# KiCad board keyboardv2.kicad_pcb (continued)
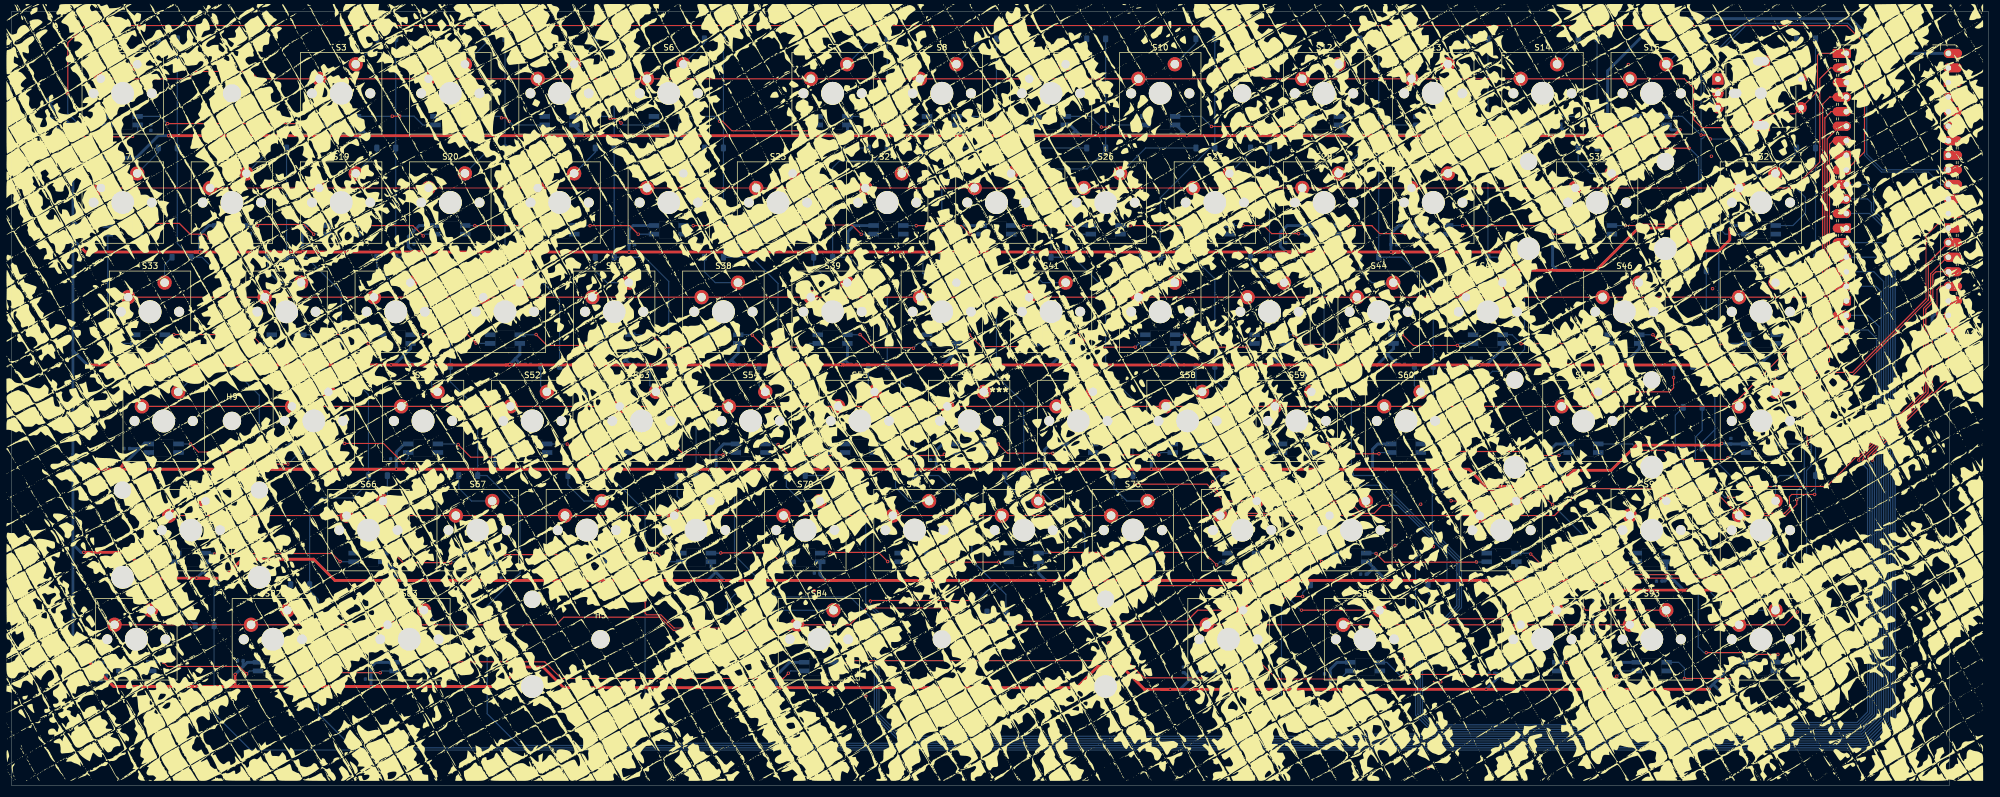
[diagram p0: board, top side]
## Routing (per net, layer and track width the routed paths; a pad name or vN(x,y) marks a point on that pad's centre or on a via; arc(x,y) is an arc through that point) (continued)
ENC_SW_2: length 7.3
  Bottom w0.2: D16.2 311.38,124.03 SW1.S2
RGB DATA: length 359.4
  Top w0.2: 320.08,107.42 323.22,110.56 323.22,129.48 320.12,132.58 12.82,132.58 9.82,129.58 v1(9.82,120.68)
  Bottom w0.2: D97.4 11.86,115.24 9.82,117.28 v1(9.82,120.68)
ROW1: length 321.7
  Top w0.2: 320.08,125.2 317.34,125.2 315.42,123.28 315.42,108.78 310.88,104.25 15.6,104.25
ROW2: length 332.1
  Top w0.2: S33.1 S48.1 312.83,85.2 315.92,88.28 315.92,118.88 317.16,120.12 320.08,120.12
ROW3: length 340.1
  Top w0.2: 320.08,117.58 317.42,117.58 316.32,116.48 316.32,81.28 313.92,78.88 312.72,78.88 301.35,67.51 S64.1 S49.1
ROW4: length 360.1
  Top w0.2: 320.08,115.04 318.95,115.04 316.72,112.81 316.72,74.18 311.72,69.18 311.72,66.43 313.22,64.93 v1(313.22,59.58) ; v1(311.42,49.88) 311.42,49.08 309.43,47.1 S80.1 296.66,51.78 273.82,51.78 269.13,47.1 S77.1 S65.1
  Bottom w0.2: v1(313.22,59.58) 312.72,59.08 312.72,52.68 311.42,51.38 v1(311.42,49.88)
ROW5: length 410.6
  Top w0.2: v1(313.92,60.48) 313.92,65.08 v1(313.12,65.88) ; v1(311.52,30.28) 309.28,28.05 S94.1 S89.1 S88.1 S87.1 166.15,28.05 163.22,30.98 149.15,30.98 146.22,28.05 S84.1 136.08,27.08 115.42,27.08 113.12,29.38 96.32,29.38 94.98,28.05 S81.1 ; 319.28,112.5 317.74,112.5 317.12,111.88 317.12,74.02 312.32,69.21 v1(312.32,67.18) ; 319.86,112.28 320.08,112.5
  Bottom w0.2: S93.1 282.3,33.8 278.12,37.98 278.12,44.69 280.53,47.1 S96.1 ; v1(311.52,30.28) 313.12,31.88 313.12,54.98 313.92,55.78 v1(313.92,60.48) ; v1(312.32,67.18) 312.32,66.28 312.72,65.88 v1(313.12,65.88)
Net-(D1-A): length 6
  Bottom w0.2: S1.2 25.63,129.52 D1.2
Net-(D3-A): length 6
  Bottom w0.2: D3.2 63.73,129.52 S3.2
Net-(D4-A): length 6
  Bottom w0.2: D4.2 82.78,129.52 S4.2
Net-(D5-A): length 6
  Bottom w0.2: D5.2 101.83,129.52 S5.2
Net-(D6-A): length 6
  Bottom w0.2: S6.2 120.88,129.52 D6.2
Net-(D7-A): length 6
  Bottom w0.2: S7.2 149.46,129.52 D7.2
Net-(D8-A): length 6
  Bottom w0.2: S8.2 168.51,129.52 D8.2
Net-(D9-A): length 6
  Bottom w0.2: S9.2 187.56,129.52 D9.2
Net-(D10-A): length 6
  Bottom w0.2: S10.2 206.61,129.52 D10.2
Net-(D12-A): length 6
  Bottom w0.2: S12.2 235.18,129.52 D12.2
Net-(D13-A): length 6
  Bottom w0.2: S13.2 254.23,129.52 D13.2
Net-(D14-A): length 6
  Bottom w0.2: D14.2 273.28,129.52 S14.2
Net-(D15-A): length 6
  Bottom w0.2: D15.2 292.33,129.52 S15.2
Net-(D17-A): length 6
  Bottom w0.2: D17.2 25.63,110.47 S17.2
Net-(D18-A): length 6
  Bottom w0.2: D18.2 44.68,110.47 S18.2
Net-(D19-A): length 6
  Bottom w0.2: S19.2 63.73,110.47 D19.2
Net-(D20-A): length 6
  Bottom w0.2: D20.2 82.78,110.47 S20.2
Net-(D21-A): length 6
  Bottom w0.2: S21.2 101.83,110.47 D21.2
Net-(D22-A): length 6
  Bottom w0.2: S22.2 120.88,110.47 D22.2
Net-(D23-A): length 15.1
  Bottom w0.2: S23.2 140.69,111.23 D23.2
Net-(D24-A): length 15.1
  Bottom w0.2: S24.2 159.74,111.23 D24.2
Net-(D25-A): length 15.1
  Bottom w0.2: S25.2 178.79,111.23 D25.2
Net-(D26-A): length 15.1
  Bottom w0.2: S26.2 197.84,111.23 D26.2
Net-(D27-A): length 6
  Bottom w0.2: S27.2 216.13,110.47 D27.2
Net-(D28-A): length 6
  Bottom w0.2: D28.2 235.18,110.47 S28.2
Net-(D29-A): length 6
  Bottom w0.2: D29.2 254.23,110.47 S29.2
Net-(D30-A): length 9
  Bottom w0.2: D30.2 273.28,108.92 275.42,106.78 275.42,106.79 S30.2
Net-(D32-A): length 6
  Bottom w0.2: S32.2 311.38,110.47 D32.2
Net-(D33-A): length 5
  Bottom w0.2: D33.2 26.71,90.88 S33.2
Net-(D34-A): length 9.1
  Bottom w0.2: D34.2 44.68,89.82 46.76,87.74 S34.2
Net-(D35-A): length 8.7
  Bottom w0.2: S35.2 66.46,87.74 63.73,90.47 D35.2
Net-(D36-A): length 8.2
  Bottom w0.2: D36.2 82.78,91.22 86.26,87.74 S36.2
Net-(D37-A): length 9.1
  Bottom w0.2: D37.2 101.83,89.77 103.86,87.74 S37.2
Net-(D38-A): length 9.2
  Bottom w0.2: D38.2 120.88,89.62 122.76,87.74 S38.2
Net-(D39-A): length 8.6
  Bottom w0.2: S39.2 142.86,87.74 139.93,90.67 D39.2
Net-(D40-A): length 9.3
  Bottom w0.2: S40.2 160.63,87.74 158.98,89.38 D40.2
Net-(D41-A): length 9.2
  Bottom w0.2: S41.2 179.86,87.74 178.03,89.57 D41.2
Net-(D42-A): length 9.8
  Bottom w0.2: D42.2 197.08,88.52 197.86,87.74 S42.2
Net-(D43-A): length 8.4
  Bottom w0.2: S43.2 219.36,87.74 216.13,90.97 D43.2
Net-(D44-A): length 9.1
  Bottom w0.2: S44.2 237.26,87.74 235.18,89.82 D44.2
Net-(D45-A): length 9.1
  Bottom w0.2: S45.2 256.26,87.74 254.23,89.77 D45.2
Net-(D46-A): length 9.3
  Bottom w0.2: S46.2 285.95,89.8 D46.2
Net-(D48-A): length 6
  Bottom w0.2: D48.2 311.38,91.42 S48.2
Net-(D49-A): length 7.9
  Bottom w0.2: D49.2 33.54,73.13 S49.2
Net-(D50-A): length 4.9
  Bottom w0.2: D50.2 54.21,69.76 S50.2
Net-(D51-A): length 4.9
  Bottom w0.2: D51.2 73.26,69.76 S51.2
Net-(D52-A): length 4.9
  Bottom w0.2: D52.2 92.31,69.76 93.38,68.69
Net-(D53-A): length 4.9
  Bottom w0.2: D53.2 111.36,69.76 S53.2
Net-(D54-A): length 4.9
  Bottom w0.2: S54.2 130.41,69.76 D54.2
Net-(D55-A): length 4.9
  Bottom w0.2: S55.2 149.46,69.76 D55.2
Net-(D56-A): length 4.9
  Bottom w0.2: S56.2 168.51,69.76 D56.2
Net-(D57-A): length 4.9
  Bottom w0.2: 188.63,68.69 187.56,69.76 D57.2
Net-(D58-A): length 4.9
  Bottom w0.2: D58.2 206.61,69.76 S58.2
Net-(D59-A): length 4.9
  Bottom w0.2: 226.73,68.69 225.66,69.76 D59.2
Net-(D60-A): length 4.9
  Bottom w0.2: 245.78,68.69 244.71,69.76 D60.2
Net-(D62-A): length 17.2
  Top w0.2: v1(289.92,71.18) 289.92,69.38 289.22,68.69 S62.2
  Bottom w0.2: D62.2 289.95,71.21 v1(289.92,71.18)
Net-(D64-A): length 7.6
  Top w0.2: S64.2 307.7,72.26 v1(307.82,72.38)
  Bottom w0.2: D64.2 308.57,73.13 v1(307.82,72.38)
Net-(D65-A): length 8
  Bottom w0.2: S65.2 33.85,53.51 D65.2
Net-(D66-A): length 4.8
  Bottom w0.2: S66.2 65.57,50.4 D66.2
Net-(D67-A): length 9
  Bottom w0.2: S67.2 80.26,49.64 78.02,51.88 D67.2
Net-(D68-A): length 8.6
  Bottom w0.2: S68.2 99.86,49.64 97.07,52.43 D68.2
Net-(D69-A): length 9.8
  Bottom w0.2: D69.2 116.12,50.48 116.96,49.64 S69.2
Net-(D70-A): length 8.8
  Bottom w0.2: D70.2 135.17,52.13 137.66,49.64 S70.2
Net-(D71-A): length 8.9
  Bottom w0.2: D71.2 154.22,51.98 156.56,49.64 S71.2
Net-(D72-A): length 8.3
  Bottom w0.2: S72.2 176.66,49.64 173.27,53.03 D72.2
Net-(D73-A): length 9
  Bottom w0.2: D73.2 192.32,51.88 194.56,49.64 S73.2
Net-(D74-A): length 11.8
  Top w0.2: S74.2 212.06,49.64 209.52,52.18 v1(209.52,52.98)
  Bottom w0.2: D74.2 210.62,54.08 v1(209.52,52.98)
Net-(D75-A): length 14.2
  Top w0.2: v1(228.02,53.28) 228.02,50.38 228.76,49.64 S75.2
  Bottom w0.2: D75.2 228.82,54.08 v1(228.02,53.28)
Net-(D77-A): length 16.4
  Top w0.2: v1(251.12,49.68) 251.16,49.64 S77.2
  Bottom w0.2: D77.2 249.47,51.33 v1(251.12,49.68)
Net-(D80-A): length 7.7
  Bottom w0.2: S80.2 307.7,53.36 308.42,54.08 D80.2
Net-(D81-A): length 8.8
  Bottom w0.2: S81.2 29.35,30.59 32.04,27.89
Net-(D82-A): length 4.7
  Bottom w0.2: D82.2 48.14,34.46 S82.2
Net-(D83-A): length 8.8
  Bottom w0.2: D83.2 74.65,27.89 S83.2
Net-(D84-A): length 22
  Bottom w0.2: S84.2 132.61,30.59 129.82,33.38 126.22,33.38 124.91,32.08 D84.2
Net-(D85-K): length 18
  Top w0.2: v1(21.12,113.28) 21.02,113.18 v1(10.22,113.18)
  Bottom w0.2: v1(21.12,113.28) 22.02,114.18 22.02,115.23 D97.1 ; v1(10.22,113.18) 9.77,113.18 D85.1
Net-(D87-A): length 46.4
  Top w0.2: S87.2 206.92,30.59 205.02,28.68 v1(174.62,28.68)
  Bottom w0.2: D87.2 170.16,29.74 171.22,28.68 v1(174.62,28.68)
Net-(D88-A): length 18.9
  Top w0.2: v1(225.02,30.59) S88.2
  Bottom w0.2: v1(225.02,30.59) 224.91,30.59 223.28,32.22 D88.2
Net-(D89-A): length 28.8
  Top w0.2: v1(247.62,29.08) 260.42,29.08 261.92,30.59 S89.2
  Bottom w0.2: D89.2 247.09,33.61 247.62,33.08 v1(247.62,29.08)
Net-(D93-A): length 24.1
  Top w0.2: v1(274.12,31.08) 274.61,30.59 S93.2
  Bottom w0.2: v1(274.12,31.08) 272.55,32.65 D93.2
Net-(D94-A): length 39.7
  Bottom w0.2: D94.2 291.6,54.6 296.42,49.78 296.42,33.68 299.51,30.59 S94.2
Net-(D96-A): length 17.6
  Bottom w0.2: D96.2 290.22,64.61 290.22,51.21 S96.2
Net-(D97-DOUT): length 33.5
  Top w0.2: v1(27.22,115.48) 52.32,115.48 v1(52.52,115.28)
  Bottom w0.2: v1(52.52,115.28) 52.56,115.24 D99.4 ; D97.2 25.96,116.74 v1(27.22,115.48)
Net-(D100-DIN): length 14.5
  Top w0.2: v1(66.42,116.78) v1(67.72,116.78)
  Bottom w0.2: v1(66.42,116.78) 66.38,116.74 D99.2 ; D100.4 71.76,115.24 70.22,116.78 v1(67.72,116.78)
Net-(D100-DOUT): length 14.5
  Top w0.2: v1(86.82,115.88) 86.22,116.48 v1(85.48,116.48)
  Bottom w0.2: v1(85.48,116.48) 85.22,116.74 D100.2 ; D101.4 87.46,115.24 v1(86.82,115.88)
Net-(D101-DOUT): length 14.5
  Top w0.2: v1(106.32,115.58) 105.52,116.38 v1(104.42,116.38)
  Bottom w0.2: v1(106.32,115.58) 106.66,115.24 D102.4 ; D101.2 104.06,116.74 v1(104.42,116.38)
Net-(D102-DOUT): length 24.8
  Top w0.2: v1(139.22,114.23) 125.67,114.23 124.02,115.88 v1(123.52,115.88)
  Bottom w0.2: v1(123.52,115.88) 122.66,116.74 D102.2 ; D103.4 140.23,115.24 v1(139.22,114.23)
Net-(D103-DOUT): length 14.5
  Top w0.2: v1(151.92,115.38) 152.76,115.38 152.96,115.18 v1(157.12,115.18)
  Bottom w0.2: D104.4 157.18,115.24 v1(157.12,115.18) ; v1(151.92,115.38) 150.56,116.74 D103.2
Net-(D104-DOUT): length 14.7
  Top w0.2: v1(172.62,114.98) 172.52,115.08 v1(170.52,115.08)
  Bottom w0.2: v1(170.52,115.08) 168.86,116.74 D104.2 ; v1(172.62,114.98) 172.88,115.24 D105.4
Net-(D105-DOUT): length 14.8
  Top w0.2: v1(190.12,114.88) v1(191.52,114.88)
  Bottom w0.2: D106.4 192.28,115.24 191.92,114.88 v1(191.52,114.88) ; v1(190.12,114.88) 188.26,116.74 D105.2
Net-(D106-DOUT): length 24.2
  Top w0.2: v1(224.12,115.08) 224.02,114.98 v1(209.31,114.98)
  Bottom w0.2: D108.4 224.28,115.24 v1(224.12,115.08) ; D106.2 207.54,116.74 v1(209.31,114.98)
Net-(D108-DOUT): length 14.8
  Top w0.2: v1(237.62,114.98) 239.02,114.98 v1(239.12,114.88)
  Bottom w0.2: v1(239.12,114.88) 239.48,115.24 D109.4 ; v1(237.62,114.98) 235.86,116.74 D108.2
Net-(D109-DOUT): length 14.9
  Top w0.2: v1(256.93,114.68) v1(258.13,114.68)
  Bottom w0.2: v1(258.13,114.68) 258.72,114.68 259.28,115.24 D110.4 ; D109.2 254.87,116.74 v1(256.93,114.68)
Net-(D110-DOUT): length 14.8
  Top w0.2: v1(275.98,114.98) 277.12,114.98 v1(277.22,114.88)
  Bottom w0.2: v1(277.22,114.88) 277.58,115.24 D111.4 ; v1(275.98,114.98) 274.22,116.74 D110.2
Net-(D111-DOUT): length 40.8
  Top w0.2: v1(296.32,112.78) 295.62,113.48 v1(294.72,113.48)
  Bottom w0.2: v1(296.32,112.78) 301.34,112.78 304.32,109.8 304.32,106.48 306.42,104.38 311.12,104.38 312.91,102.59 312.91,99.88 310.73,97.69 D128.4 ; D111.2 291.46,116.74 v1(294.72,113.48)
Net-(D113-DIN): length 15.7
  Top w0.2: v1(34.42,95.48) 33.71,96.19 31.17,96.19 29.28,98.08 24.01,98.08 v1(23.62,97.69)
  Bottom w0.2: v1(23.62,97.69) D113.4 ; D114.2 35.86,95.72 35.62,95.48 v1(34.42,95.48)
Net-(D113-DOUT): length 22.7
  Bottom w0.2: D113.2 16.81,79.08 18.74,77.14 D129.4
Net-(D114-DIN): length 14.6
  Top w0.2: v1(52.72,96.18) 51.02,97.88 43.12,97.88 v1(42.92,97.68)
  Bottom w0.2: D114.4 42.91,97.69 v1(42.92,97.68) ; v1(52.72,96.18) 52.92,96.18 52.93,96.19 D115.2
Net-(D115-DIN): length 14.7
  Top w0.2: v1(61.92,97.68) 70.02,97.68 v1(71.82,95.88)
  Bottom w0.2: D116.2 72.13,96.19 v1(71.82,95.88) ; D115.4 61.91,97.69 v1(61.92,97.68)
Net-(D116-DIN): length 14.6
  Top w0.2: v1(80.82,97.68) 89.12,97.68 v1(90.72,96.08)
  Bottom w0.2: D116.4 80.81,97.69 v1(80.82,97.68) ; D117.2 90.83,96.19 v1(90.72,96.08)
Net-(D117-DIN): length 14.5
  Top w0.2: v1(100.92,97.68) 107.82,97.68 v1(109.32,96.18)
  Bottom w0.2: D117.4 100.91,97.69 v1(100.92,97.68) ; D118.2 109.33,96.19 v1(109.32,96.18)
Net-(D118-DIN): length 14.5
  Top w0.2: v1(118.92,97.68) 127.42,97.68 v1(128.92,96.18)
  Bottom w0.2: D118.4 118.91,97.69 v1(118.92,97.68) ; D119.2 128.93,96.19 v1(128.92,96.18)
Net-(D119-DIN): length 14.8
  Top w0.2: v1(138.22,97.68) 138.32,97.78 146.62,97.78 v1(148.22,96.18)
  Bottom w0.2: D119.4 138.21,97.69 v1(138.22,97.68) ; v1(148.22,96.18) 148.23,96.19 D120.2
Net-(D120-DIN): length 14.3
  Top w0.2: v1(167.22,96.18) 165.72,97.68 v1(157.82,97.68)
  Bottom w0.2: D121.2 167.23,96.19 v1(167.22,96.18) ; v1(157.82,97.68) 157.81,97.69 D120.4
Net-(D121-DIN): length 14.5
  Top w0.2: v1(186.32,96.18) 184.82,97.68 v1(176.52,97.68)
  Bottom w0.2: D122.2 186.33,96.19 v1(186.32,96.18) ; v1(176.52,97.68) 176.51,97.69 D121.4
Net-(D122-DIN): length 14.5
  Top w0.2: v1(195.12,97.68) 204.22,97.68 v1(205.72,96.18)
  Bottom w0.2: D123.2 205.73,96.19 v1(205.72,96.18) ; D122.4 195.11,97.69 v1(195.12,97.68)
Net-(D123-DIN): length 14.5
  Top w0.2: v1(214.82,97.68) 218.42,97.68 219.82,96.28 v1(224.52,96.28)
  Bottom w0.2: v1(214.82,97.68) 214.81,97.69 D123.4 ; v1(224.52,96.28) 224.61,96.19 D124.2
Net-(D124-DIN): length 14.5
  Top w0.2: v1(233.22,97.68) 237.28,97.68 238.68,96.28 v1(243.12,96.28)
  Bottom w0.2: v1(243.12,96.28) 243.21,96.19 D125.2 ; v1(233.22,97.68) 233.21,97.69 D124.4
Net-(D125-DIN): length 24
  Top w0.2: v1(271.12,96.18) 268.92,96.18 267.42,97.68 v1(253.12,97.68)
  Bottom w0.2: D125.4 253.11,97.69 v1(253.12,97.68) ; D126.2 271.13,96.19 v1(271.12,96.18)
Net-(D126-DIN): length 25.1
  Top w0.2: v1(296.32,98.78) 294.42,98.78 293.33,97.69 290.73,97.69 290.49,97.93 283.55,97.93 283.31,97.69 v1(281.52,97.69)
  Bottom w0.2: v1(296.32,98.78) 298.91,96.19 D128.2 ; v1(281.52,97.69) D126.4
Net-(D129-DOUT): length 19.5
  Top w0.2: v1(28.32,78.68) 41.82,78.68 v1(43.62,76.88)
  Bottom w0.2: D129.2 28.28,78.64 v1(28.32,78.68) ; v1(43.62,76.88) 43.88,77.14 D130.4
Net-(D130-DOUT): length 14.6
  Top w0.2: v1(52.82,78.68) 60.62,78.68 v1(62.22,77.08)
  Bottom w0.2: v1(62.22,77.08) 62.28,77.14 D131.4 ; D130.2 52.78,78.64 v1(52.82,78.68)
Net-(D131-DOUT): length 14.5
  Top w0.2: v1(71.82,78.68) 79.52,78.68 v1(81.02,77.18)
  Bottom w0.2: D132.4 81.06,77.14 v1(81.02,77.18) ; v1(71.82,78.68) 71.78,78.64 D131.2
Net-(D132-DOUT): length 15
  Top w0.2: v1(100.22,76.78) 93.42,76.78 v1(91.52,78.68)
  Bottom w0.2: D132.2 91.48,78.64 v1(91.52,78.68) ; v1(100.22,76.78) 100.58,77.14 D133.4
Net-(D133-DOUT): length 14.9
  Top w0.2: v1(119.62,76.48) 119.52,76.38 113.92,76.38 111.62,78.68 v1(110.52,78.68)
  Bottom w0.2: v1(110.52,78.68) 110.48,78.64 D133.2 ; D134.4 120.28,77.14 v1(119.62,76.48)
Net-(D134-DOUT): length 15.1
  Top w0.2: v1(129.22,78.58) 131.32,76.48 138.32,76.48 v1(138.42,76.38)
  Bottom w0.2: D135.4 139.18,77.14 v1(138.42,76.38) ; v1(129.22,78.58) 129.16,78.64 D134.2
Net-(D135-DOUT): length 15.2
  Top w0.2: v1(148.02,78.68) 150.32,76.38 157.22,76.38 v1(157.32,76.28)
  Bottom w0.2: D136.4 158.18,77.14 v1(157.32,76.28) ; v1(148.02,78.68) 147.98,78.64 D135.2
Net-(D136-DOUT): length 15.2
  Top w0.2: v1(177.22,76.58) 169.12,76.58 v1(167.12,78.58)
  Bottom w0.2: v1(167.12,78.58) 167.06,78.64 D136.2 ; D137.4 177.78,77.14 v1(177.22,76.58)
Net-(D137-DOUT): length 14.8
  Top w0.2: v1(196.02,76.48) 188.32,76.48 v1(186.12,78.68)
  Bottom w0.2: v1(196.02,76.48) 196.68,77.14 D138.4 ; v1(186.12,78.68) 186.08,78.64 D137.2
Net-(D138-DOUT): length 15
  Top w0.2: v1(204.62,78.58) 206.72,76.48 v1(215.42,76.48)
  Bottom w0.2: v1(215.42,76.48) 216.08,77.14 D139.4 ; v1(204.62,78.58) 204.56,78.64 D138.2
Net-(D139-DOUT): length 14.7
  Top w0.2: v1(223.72,78.58) 225.32,76.98 233.52,76.98 v1(233.62,76.88)
  Bottom w0.2: v1(223.72,78.58) 223.66,78.64 D139.2 ; v1(233.62,76.88) 233.88,77.14 D140.4
Net-(D140-DOUT): length 14.8
  Top w0.2: v1(252.22,76.78) 244.52,76.78 v1(242.62,78.68)
  Bottom w0.2: v1(252.22,76.78) 252.58,77.14 D141.4 ; v1(242.62,78.68) 242.58,78.64 D140.2
Net-(D141-DOUT): length 19.3
  Top w0.2: v1(263.32,77.08) v1(276.22,77.08)
  Bottom w0.2: v1(263.32,77.08) 261.76,78.64 D141.2 ; v1(276.22,77.08) 276.28,77.14 D142.4
Net-(D142-DOUT): length 19.4
  Top w0.2: v1(286.32,78.64) 287.98,76.98 v1(298.72,76.98)
  Bottom w0.2: D144.4 299.48,77.14 299.32,76.98 v1(298.72,76.98) ; v1(286.32,78.64) D142.2
Net-(D144-DOUT): length 29.2
  Bottom w0.2: D160.4 311.83,59.59 314.28,62.04 314.28,69.82 313.42,70.68 313.42,76.98 311.76,78.64 D144.2
Net-(D145-DIN): length 23.3
  Top w0.2: v1(31.22,59.58) 32.62,58.18 40.92,58.18 43.02,56.08 v1(48.22,56.08)
  Bottom w0.2: D146.2 50.14,58.01 v1(48.22,56.08) ; v1(31.22,59.58) 31.21,59.59 D145.4
Net-(D145-DOUT): length 22.8
  Bottom w0.2: D145.2 23.95,40.75 25.66,39.04 D161.4
Net-(D146-DIN): length 16.6
  Top w0.2: v1(68.32,56.28) 64.92,59.68 v1(58.12,59.68)
  Bottom w0.2: D147.2 69.19,57.16 v1(68.32,56.28) ; v1(58.12,59.68) 57.72,59.68 57.63,59.59 D146.4
Net-(D147-DIN): length 15.1
  Top w0.2: v1(77.92,59.48) 80.12,57.28 v1(85.62,57.28)
  Bottom w0.2: 88.24,58.09 86.43,58.09 v1(85.62,57.28) ; v1(77.92,59.48) 77.81,59.59 D147.4
Net-(D148-DIN): length 14.9
  Top w0.2: v1(96.92,59.58) 98.92,57.58 v1(105.02,57.58)
  Bottom w0.2: D149.2 105.53,58.09 v1(105.02,57.58) ; v1(96.92,59.58) 96.91,59.59 D148.4
Net-(D149-DIN): length 14.8
  Top w0.2: v1(124.12,57.68) 117.32,57.68 v1(115.42,59.58)
  Bottom w0.2: v1(124.12,57.68) 124.53,58.09 126.34,58.09 ; v1(115.42,59.58) 115.41,59.59 D149.4
Net-(D150-DIN): length 14.9
  Top w0.2: v1(133.72,59.48) 135.62,57.58 v1(143.62,57.58)
  Bottom w0.2: v1(143.62,57.58) 144.13,58.09 D151.2 ; D150.4 133.61,59.59 v1(133.72,59.48)
Net-(D151-DIN): length 14.9
  Top w0.2: v1(162.72,57.78) 162.52,57.58 v1(155.82,57.58)
  Bottom w0.2: v1(155.82,57.58) 153.81,59.59 D151.4 ; v1(162.72,57.78) 164.13,57.78 D152.2
Net-(D152-DIN): length 14.6
  Top w0.2: v1(172.12,59.58) 173.72,57.98 v1(181.62,57.98)
  Bottom w0.2: D153.2 181.73,58.09 v1(181.62,57.98) ; v1(172.12,59.58) 172.11,59.59 D152.4
Net-(D153-DIN): length 14.9
  Top w0.2: v1(191.62,59.68) 193.62,57.68 v1(200.12,57.68)
  Bottom w0.2: v1(191.62,59.68) 191.53,59.59 188.69,59.59 ; v1(200.12,57.68) 200.53,58.09 D154.2
Net-(D154-DIN): length 15.1
  Top w0.2: v1(219.42,57.38) 211.82,57.38 v1(209.62,59.58)
  Bottom w0.2: D155.2 220.13,58.09 v1(219.42,57.38) ; v1(209.62,59.58) 207.76,59.58 D154.4
Net-(D155-DIN): length 14.6
  Top w0.2: v1(229.52,59.58) 231.22,57.88 v1(238.52,57.88)
  Bottom w0.2: D156.2 238.73,58.09 v1(238.52,57.88) ; 226.79,59.59 229.51,59.59 v1(229.52,59.58)
Net-(D156-DIN): length 26.9
  Top w0.2: v1(269.92,57.58) 265.02,57.58 264.32,58.28 250.92,58.28 v1(249.52,59.68)
  Bottom w0.2: v1(249.52,59.68) 249.43,59.59 245.84,59.59 ; v1(269.92,57.58) 270.43,58.09 D158.2
Net-(D158-DIN): length 27.4
  Top w0.2: v1(283.82,58.48) 288.27,58.48 289.87,56.88 299.12,56.88 v1(299.42,57.18)
  Bottom w0.2: v1(299.42,57.18) 300.33,58.09 D160.2 ; D158.4 282.71,59.59 v1(283.82,58.48)
Net-(D161-DOUT): length 26.5
  Top w0.2: v1(57.32,39.08) 55.92,40.48 35.52,40.48 v1(35.42,40.38)
  Bottom w0.2: D162.4 57.36,39.04 v1(57.32,39.08) ; v1(35.42,40.38) 35.26,40.54 D161.2
Net-(D162-DOUT): length 14.6
  Top w0.2: v1(66.72,40.48) 68.32,38.88 v1(76.62,38.88)
  Bottom w0.2: v1(66.72,40.48) 64.93,40.48 D162.2 ; D163.4 76.78,39.04 v1(76.62,38.88)
Net-(D163-DOUT): length 14.5
  Top w0.2: v1(96.22,39.18) 95.12,40.28 v1(86.02,40.28)
  Bottom w0.2: D163.2 85.76,40.54 v1(86.02,40.28) ; v1(96.22,39.18) 97.63,39.18 D164.4
Net-(D164-DOUT): length 14.5
  Top w0.2: v1(114.22,39.08) 112.72,40.58 v1(104.62,40.58)
  Bottom w0.2: D164.2 104.58,40.54 v1(104.62,40.58) ; D165.4 114.26,39.04 v1(114.22,39.08)
Net-(D165-DOUT): length 14.6
  Top w0.2: v1(134.12,38.98) 132.52,40.58 v1(123.72,40.58)
  Bottom w0.2: v1(123.72,40.58) 123.68,40.54 D165.2 ; D166.4 135.81,38.98 v1(134.12,38.98)
Net-(D166-DOUT): length 14.6
  Top w0.2: v1(152.82,39.08) 151.22,40.68 v1(142.72,40.68)
  Bottom w0.2: v1(142.72,40.68) 142.58,40.54 D166.2 ; v1(152.82,39.08) 152.86,39.04 D167.4
Net-(D167-DOUT): length 14.5
  Top w0.2: v1(162.02,40.28) 163.32,38.98 v1(172.22,38.98)
  Bottom w0.2: v1(172.22,38.98) 173.91,38.98 D168.4 ; v1(162.02,40.28) 161.76,40.54 D167.2
Net-(D168-DOUT): length 14.6
  Top w0.2: v1(181.12,40.68) 189.62,40.68 v1(191.02,39.28)
  Bottom w0.2: v1(191.02,39.28) 191.26,39.04 D169.4 ; v1(181.12,40.68) 180.98,40.54 D168.2
Net-(D169-DOUT): length 15.1
  Top w0.2: v1(210.22,38.48) 208.02,40.68 v1(199.92,40.68)
  Bottom w0.2: v1(199.92,40.68) 199.78,40.54 D169.2 ; v1(210.22,38.48) 210.78,39.04 D170.4
Net-(D170-DOUT): length 14.5
  Top w0.2: v1(228.52,39.08) 227.12,40.48 v1(219.52,40.48)
  Bottom w0.2: D170.2 219.46,40.54 v1(219.52,40.48) ; v1(228.52,39.08) 228.56,39.04 D171.4
Net-(D171-DOUT): length 21.7
  Top w0.2: v1(255.52,38.98) 239.52,38.98 v1(238.02,40.48)
  Bottom w0.2: v1(255.52,38.98) 257.25,38.98 D173.4 ; v1(238.02,40.48) 237.96,40.54 D171.2
Net-(D173-DOUT): length 43.9
  Top w0.2: v1(265.02,40.38) 266.52,38.88 280.12,38.88 282.82,36.18 v1(301.22,36.18)
  Bottom w0.2: D176.4 302.56,37.52 v1(301.22,36.18) ; D173.2 264.86,40.54 v1(265.02,40.38)
Net-(D176-DOUT): length 41.7
  Top w0.2: v1(281.02,38.88) 283.12,36.78 v1(299.52,36.78)
  Bottom w0.2: v1(281.02,38.88) 281.18,39.04 D192.4 ; v1(299.52,36.78) 299.52,36.68 303.32,32.88 307.82,32.88 309.62,34.68 309.62,39.68 308.76,40.54 D176.2
Net-(D177-DIN): length 19.7
  Top w0.2: v1(26.52,21.48) 27.22,20.78 39.72,20.78 v1(41.02,19.48)
  Bottom w0.2: v1(26.52,21.48) 26.51,21.49 D177.4 ; v1(41.02,19.48) 41.53,19.99 D178.2
Net-(D178-DIN): length 19.5
  Top w0.2: v1(50.02,21.48) 51.82,19.68 v1(64.32,19.68)
  Bottom w0.2: D178.4 48.21,21.48 v1(50.02,21.48) ; D179.2 64.63,19.99 v1(64.32,19.68)
Net-(D179-DIN): length 68
  Top w0.2: v1(74.42,21.58) 93.02,21.58 95.92,18.68 134.62,18.68 v1(135.52,19.58)
  Bottom w0.2: D180.2 135.93,19.99 v1(135.52,19.58) ; D179.4 74.33,21.49 v1(74.42,21.58)
Net-(D180-DIN): length 68.3
  Top w0.2: v1(145.62,21.28) 146.12,21.78 194.52,21.78 197.52,18.78 v1(207.72,18.78)
  Bottom w0.2: D183.2 208.93,19.99 v1(207.72,18.78) ; D180.4 145.41,21.49 v1(145.62,21.28)
Net-(D183-DIN): length 20.4
  Top w0.2: v1(217.92,21.38) 220.72,18.58 v1(231.72,18.58)
  Bottom w0.2: D184.2 233.13,19.99 v1(231.72,18.58) ; D183.4 217.81,21.49 v1(217.92,21.38)
Net-(D184-DIN): length 27.2
  Top w0.2: v1(242.42,18.98) 242.82,19.38 v1(261.62,19.38)
  Bottom w0.2: v1(242.42,18.98) 239.91,21.49 D184.4 ; D185.2 262.23,19.99 v1(261.62,19.38)
Net-(D185-DIN): length 15.5
  Top w0.2: v1(271.32,21.48) 271.92,21.48 274.62,18.78 279.72,18.78 v1(280.02,19.08)
  Bottom w0.2: D185.4 269.67,21.48 v1(271.32,21.48) ; D189.2 280.93,19.99 v1(280.02,19.08)
Net-(D189-DIN): length 16.6
  Top w0.2: v1(300.42,18.88) 300.22,18.68 v1(291.82,18.68)
  Bottom w0.2: D189.4 290.81,21.49 291.82,20.48 v1(291.82,18.68) ; D190.2 301.53,19.99 v1(300.42,18.88)
Net-(D190-DIN): length 36.6
  Top w0.2: v1(295.62,23.18) 302.42,23.18 302.72,22.88 v1(308.12,22.88)
  Bottom w0.2: D192.2 292.16,40.54 294.22,38.48 294.22,24.18 295.22,23.18 v1(295.62,23.18) ; D190.4 308.12,21.86 v1(308.12,22.88)

## Copper pours and planes (outline as drawn; the poured copper is in the pictures)
GND on Top, Bottom: -0.28,135.18 -0.68,-0.62 350.02,-1.92 348.92,138.58 -0.38,135.08
